# Altium PCB devkit-visao.PcbDoc (part 1 of 2) (continued)
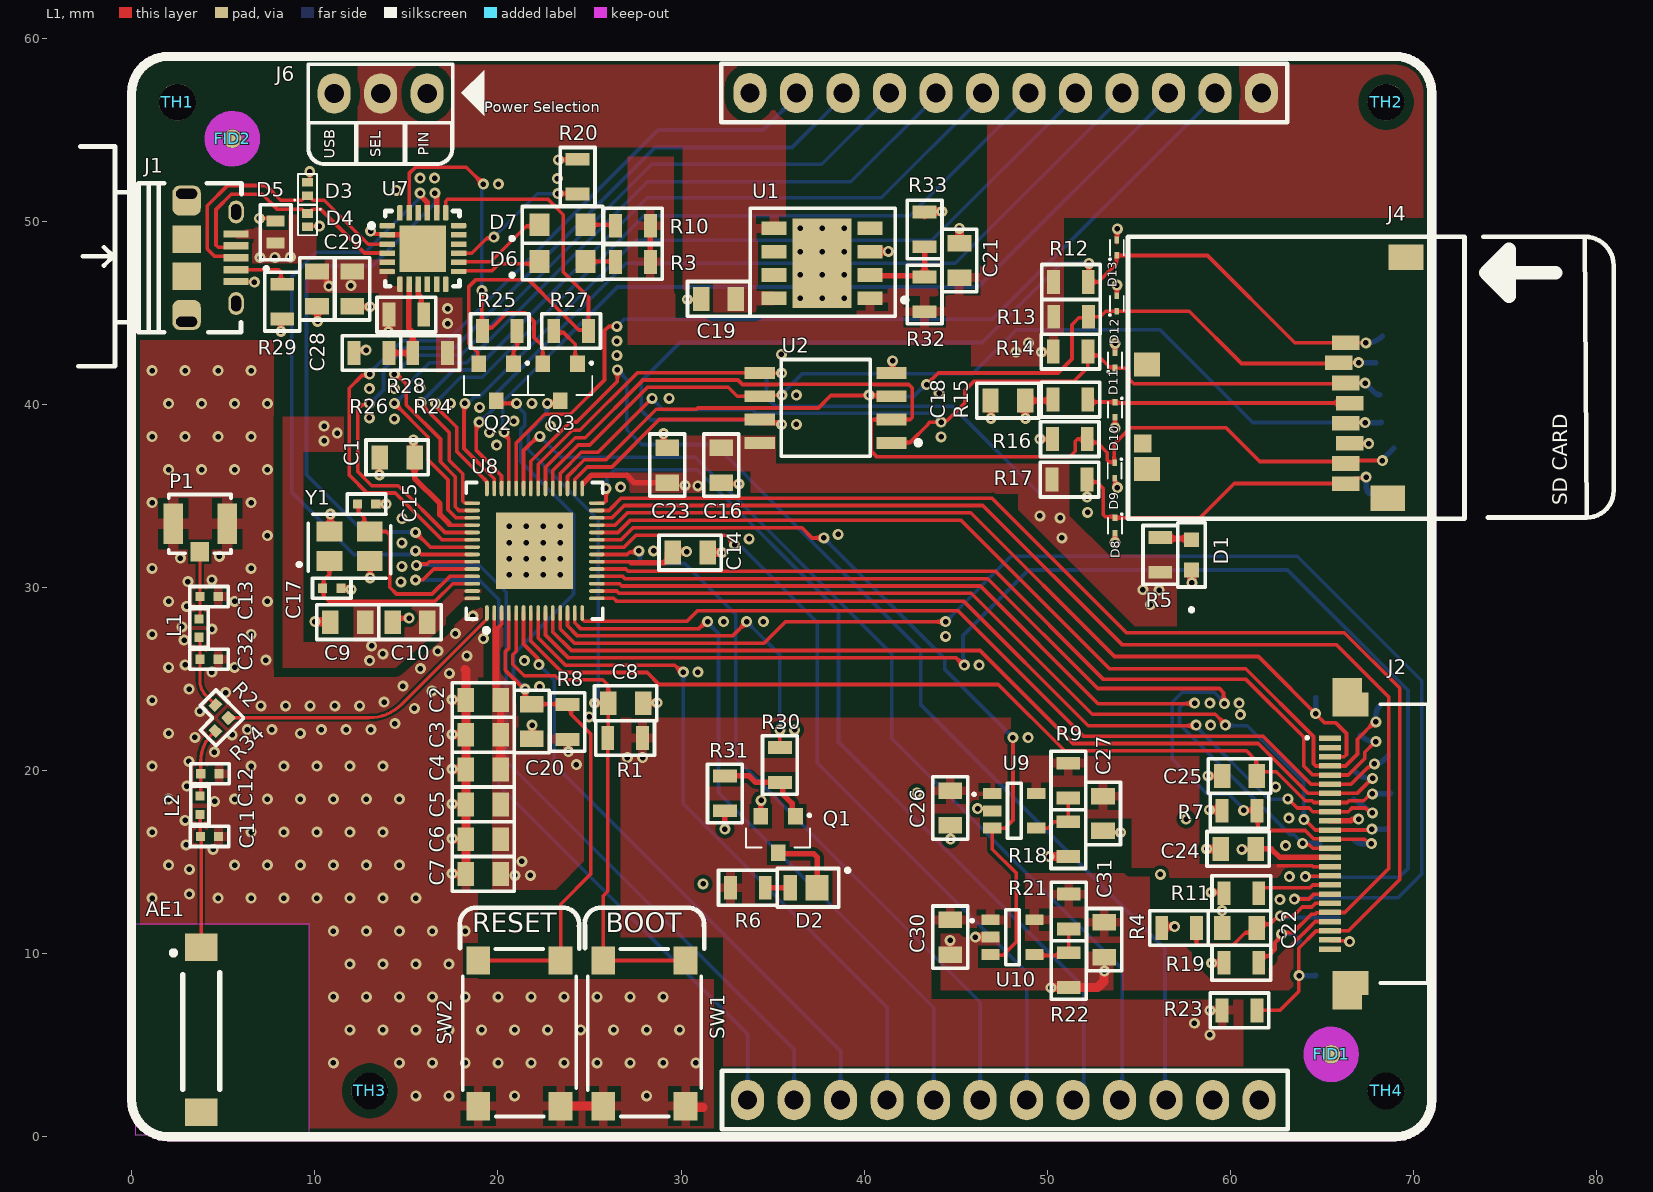
[diagram p0: L1 view]
## Components (designator, comment, footprint, x,y, rotation, side; value= is the part's Value field where it differs from the comment) (continued)
TP5 "TestPoint" "TEST POINT" 67.95,42.275 r90 bottom
TP6 "TestPoint" "TEST POINT" 68.3,43.725 r90 bottom
TP11 "TestPoint" "TEST POINT" 64.675,23.975 r90 bottom
TP12 "TestPoint" "TEST POINT" 68.15,23.525 r90 bottom
TP13 "TestPoint" "TEST POINT" 67.1,21.925 r90 bottom
TP14 "TestPoint" "TEST POINT" 68.625,20.825 r90 bottom
TP15 "TestPoint" "TEST POINT" 66.85,19.9 r90 bottom
TP16 "TestPoint" "TEST POINT" 68.75,18.75 r90 bottom
TP17 "TestPoint" "TEST POINT" 66.75,18.425 r90 bottom
TP18 "TestPoint" "TEST POINT" 68.6,16.825 r90 bottom
TP19 "TestPoint" "TEST POINT" 66.8,16.175 r90 bottom
TP20 "TestPoint" "TEST POINT" 64.875,15.975 r90 bottom
TP21 "TestPoint" "TEST POINT" 66,14.225 r90 bottom
TP22 "TestPoint" "TEST POINT" 64.475,13.05 r90 bottom
TP23 "TestPoint" "TEST POINT" 65.95,12 r90 bottom
TP24 "TestPoint" "TEST POINT" 63.8,10.7 r90 bottom
TP25 "TestPoint" "TEST POINT" 64.675,8.825 r90 bottom
U1 "BD70HC5WEFJ-E2" BD70HC5WEFJ-E2 37.7,47.7 r180 top locked
U2 "W25Q32JVSSIQ_TR" SOIC127P790X216-8N 37.9,39.8 r180 top locked
U7 "CP2102N-A02-GQFN24R" CP2102N-A02-GQFN24 15.9,48.5 r0 top locked
U8 "ESP32-S3" ESP32-S3 22,32 r90 top locked
U9 "AP7366-W5-7" AP7366-W5-7 48.2,17.8 r0 top
U10 "AP7366-W5-7" AP7366-W5-7 48.1,10.9 r0 top
Y1 "40MHZ" RH100-40.000-10-F-1010-TR 11.9,32.25 r0 top

## Footprints (in the part's own frame and the unit in brackets; to place one, negate y for a bottom-side part, rotate by r counter-clockwise, add the part's x,y. Pads: shape width x height; smd on the part's side, far side on the other; paste and mask are expansions set on the pad)
2450AT45A100E [mm]
  rect 1.5x1.8 smd: 1(4.5,0) ""(-4.5,0)
  Keep-Out Layer region: 5.75,-5.9 5.75,3.6 -5.75,3.6 -5.75,-5.9
  silkscreen extent -3.25,-1 4.29,1.62, body extent -4.75,-1.02 4.75,0.98, height 1.22
10118194-0001LF [mm] "10118194-0001LF"
  rect 0.4x1.35 smd mask+0.05: 1(-1.299,1.369) 2(-0.649,1.369) 3(0.001,1.369) 4(0.651,1.369) 5(1.301,1.369)
  rrect50% 1.645x1.55 hole 0.55 slot 1.15 at 90 deg copper offset 0.38,0: ""(-3.5,-1.331)
  oval 1.25x0.85 hole 0.55 slot 0.85 at 0 deg: ""(-2.499,1.369) ""(2.501,1.369)
  rect 1.5x1.55 smd: ""(-0.999,-1.331) ""(1.001,-1.331)
  rrect50% 1.645x1.55 hole 0.55 slot 1.15 at 90 deg copper offset -0.38,0: ""(3.5,-1.331)
  silkscreen extent -6.08,-7.24 5.92,1.67, body extent -4.02,-3.97 4.03,1.61, height 3.12
AP7366-W5-7 [mm]
  rect 1x0.6 smd: 1(-1.2,0.95) 2(-1.2,0) 3(-1.2,-0.95) 4(1.2,-0.95) 5(1.2,0.95)
  silkscreen extent -2.22,-1.5 0.38,1.5, body extent -1.43,-1.5 1.43,1.5, height 1.4
APT1608SYCK [mm]
  rect 0.8x0.8 smd: 1(-0.825,0) 2(0.825,0)
  silkscreen extent -1.75,-0.75 3.1,0.75, body extent -0.8,-0.41 0.8,0.41, height 0.76
BD70HC5WEFJ-E2 [mm]
  rect 1.35x0.75 smd: 1(-2.625,1.905) 2(-2.625,0.635) 3(-2.625,-0.635) 4(-2.625,-1.905) 5(2.625,-1.905) 6(2.625,-0.635) 7(2.625,0.635) 8(2.625,1.905)
  rect 3.2x4.9 smd paste-2 mask+0.102: ""(0,0)
  silkscreen extent -4.52,-3 3.91,2.9, body extent -3,-2.63 3,2.63, height 0.99
BUTTON [mm]
  rect 1.55x1.3 smd: 1(-3.975,2.25) 2(-3.975,-2.25) 3(3.975,-2.25) 4(3.975,2.25)
  silkscreen extent -4.55,-3.1 4.6,3.1, body extent -4.5,-3 4.5,3, height 5
C0402 [mm]
  rect 0.5x0.5 smd: 1(-0.5,0) 2(0.5,0)
  silkscreen extent -1.05,-0.55 1.05,0.55, body extent -0.5,-0.25 0.5,0.25, height 0.51
C0805 [mm]
  rect 0.9x1.3 smd: 1(-0.95,0) 2(0.95,0)
  silkscreen extent -1.7,-0.95 1.7,0.95, body extent -1,-0.62 1,0.63, height 1
CP2102N-A02-GQFN24 [mm]
  rrect50% 0.85x0.3 smd mask+0.053: 1(-1.95,1.25) 6(-1.95,-1.25) 13(1.95,-1.25) 18(1.95,1.25)
  rect 0.85x0.3 smd mask+0.053: 2(-1.95,0.75) 3(-1.95,0.25) 4(-1.95,-0.25) 5(-1.95,-0.75) 14(1.95,-0.75) 15(1.95,-0.25) 17(1.95,0.75)
  rrect50% 0.3x0.85 smd mask+0.053: 7(-1.25,-1.95) 12(1.25,-1.95) 19(1.25,1.95) 24(-1.25,1.95)
  rect 0.3x0.85 smd mask+0.053: 8(-0.75,-1.95) 9(-0.25,-1.95) 10(0.25,-1.95) 11(0.75,-1.95) 20(0.75,1.95) 21(0.25,1.95) 22(-0.25,1.95) 23(-0.75,1.95)
  rect 0.85x0.3 smd paste+0 mask+0.053: 16(1.95,0.25)
  rect 2.55x2.55 smd paste-1.4: 25(0,0)
  rect 1.1x1.1 on Top Paste: ""(-0.625,-0.65) ""(-0.625,0.65) ""(0.625,-0.65) ""(0.625,0.65)
  silkscreen extent -2.92,-2.06 2,2.05, body extent -2.05,-2.05 2.05,2.05, height 0.8
ESD9C5.0ST5G [mm]
  rect 0.36x0.25 smd mask+0.051: 1(-0.42,0) 2(0.42,0)
  silkscreen extent -0.67,-0.38 0.43,0.43, body extent -0.5,-0.33 0.5,0.33, height 0.4
ESP32-S3 [mm] "QFN, 56-Leads, Body 7,00x7,00mm, Pitch 0,40mm, Thermal Pad 4,00x4,00mm, IPC Medium Density"
  oval 0.85x0.2 smd mask+0.051: 1(-3.4,2.6) 2(-3.4,2.2) 3(-3.4,1.8) 4(-3.4,1.4) 5(-3.4,1) 6(-3.4,0.6) 7(-3.4,0.2) 8(-3.4,-0.2) 9(-3.4,-0.6) 10(-3.4,-1) 11(-3.4,-1.4) 12(-3.4,-1.8) 13(-3.4,-2.2) 14(-3.4,-2.6) 29(3.4,-2.6) 30(3.4,-2.2) 31(3.4,-1.8) 32(3.4,-1.4) 33(3.4,-1) 34(3.4,-0.6) 35(3.4,-0.2) 36(3.4,0.2) 37(3.4,0.6) 38(3.4,1) 39(3.4,1.4) 40(3.4,1.8) 41(3.4,2.2) 42(3.4,2.6)
  oval 0.2x0.85 smd mask+0.051: 15(-2.6,-3.4) 16(-2.2,-3.4) 17(-1.8,-3.4) 18(-1.4,-3.4) 19(-1,-3.4) 20(-0.6,-3.4) 21(-0.2,-3.4) 22(0.2,-3.4) 23(0.6,-3.4) 24(1,-3.4) 25(1.4,-3.4) 26(1.8,-3.4) 27(2.2,-3.4) 28(2.6,-3.4) 43(2.6,3.4) 44(2.2,3.4) 45(1.8,3.4) 46(1.4,3.4) 47(1,3.4) 48(0.6,3.4) 49(0.2,3.4) 50(-0.2,3.4) 51(-0.6,3.4) 52(-1,3.4) 53(-1.4,3.4) 54(-1.8,3.4) 55(-2.2,3.4) 56(-2.6,3.4)
  rect 4.2x4.2 smd paste-2: 57(0,0)
  rect 1.5x1.5 on Top Paste: ""(-0.999,0.922) ""(-0.975,-0.925) ""(0.976,0.922) ""(1,-0.925)
  silkscreen extent -4.47,-3.72 3.72,3.72, body extent -3.53,-3.53 3.53,3.53, height 0.9
F32R1A7H111024 [mm]
  rect 0.3x1.2 smd mask+0.051: 1(5.75,0.563) 2(5.25,0.563) 3(4.75,0.563) 4(4.25,0.563) 5(3.75,0.563) 6(3.25,0.563) 7(2.75,0.563) 8(2.25,0.563) 9(1.75,0.563) 10(1.25,0.563) 11(0.75,0.563) 12(0.25,0.563) 13(-0.25,0.563) 14(-0.75,0.563) 15(-1.25,0.563) 16(-1.75,0.563) 17(-2.25,0.563) 18(-2.75,0.563) 19(-3.25,0.563) 20(-3.75,0.563) 21(-4.25,0.563) 22(-4.75,0.563) 23(-5.25,0.563) 24(-5.75,0.563)
  rect 0.8x1.6 smd: ""(-8.65,-0.387) ""(8.65,-0.387)
  rect 1.3x1.95 smd: ""(-7.6,-0.562) ""(7.6,-0.562)
  silkscreen extent -7.62,-4.79 7.62,1.86, body extent -9.65,-4.47 9.65,1.03, height 2.08
FID_40X1.20 [mil]
  round 40 smd paste-40 mask+40: ""(0,0)
  L1 keep-out circle w39.37: c0,0 r40.16
L0402 [mm]
  rect 0.5x0.5 smd mask+0.064: 1(-0.5,0) 2(0.5,0)
  silkscreen extent -1.05,-0.5 1.05,0.5, body extent -0.5,-0.3 0.5,0.3, height 0.51
LTST-C171KRKT [mm]
  rect 1.1x1.25 smd: 1(-1.25,0) 2(1.25,0)
  silkscreen extent -2.2,-1 2.85,1, body extent -1,-0.62 1,0.63, height 0.8
MMSS8050-H-TP [mm]
  rect 0.8x0.9 smd: 1(-0.95,-1) 2(0.95,-1) 3(0,1)
  silkscreen extent -1.76,-1.1 1.75,0.7, body extent -1.4,-1.05 1.4,1.05, height 0.89
MP-2016-1100-50-70 [mm]
  rect 0.75x1.4 smd: 1(-0.73,0)
  rect 1.27x1.4 smd: 2(0.73,0)
  silkscreen extent -1.45,-1.05 2.5,1.05, body extent -0.95,-0.78 1.05,0.82, height 2.26
PH1-03-UA [mm]
  oval 2.2x1.8 hole 1.05: 1(0,0) 2(0,-2.54) 3(0,-5.08)
  silkscreen extent -1.6,-6.5 1.6,1.4, body extent -1.25,-6.36 1.25,1.27, height 5.6
PH1-12-UA [mm]
  oval 2.2x1.8 hole 1.05: 1(0,0) 2(0,-2.54) 3(0,-5.08) 4(0,-7.62) 5(0,-10.16) 6(0,-12.7) 7(0,-15.24) 8(0,-17.78) 9(0,-20.32) 10(0,-22.86) 11(0,-25.4) 12(0,-27.94)
  silkscreen extent -1.6,-29.5 1.6,1.4, body extent -1.2,-29.23 1.3,1.23, height 9.66
R0402 [mm]
  rect 0.5x0.6 smd: 1(-0.5,0) 2(0.5,0)
  silkscreen extent -1.05,-0.6 1.05,0.6, body extent -0.5,-0.25 0.5,0.25, height 0.41
R0805 [mm]
  rect 0.7x1.3 smd: 1(-0.95,0) 2(0.95,0)
  silkscreen extent -1.6,-0.95 1.6,0.95, body extent -1,-0.6 1,0.6, height 0.61
RH100-40.000-10-F-1010-TR [mm]
  rect 1.4x1.1 smd: 1(-1.1,-0.8) 2(1.1,-0.8) 3(1.1,0.8) 4(-1.1,0.8)
  silkscreen extent -2.85,-1.75 2.25,1.75, body extent -1.7,-1.37 1.7,1.37, height 0.71
SDCARD-0473521001 [mm]
  rect 1.5x0.8 smd: 1(-3.897,-1.915) 2(-3.497,-0.815) 3(-3.897,0.285) 4(-4.097,1.385) 5(-3.897,2.485) 6(-4.097,3.585) 7(-3.897,4.685) 8(-3.897,5.785)
  rect 0.95x1 smd mask+0.051: 9(7.188,3.585)
  rect 1.9x1.4 smd: ""(-7.187,-6.575) ""(-6.187,6.575)
  rect 1.4x1.3 smd mask+0.051: ""(6.963,-0.725) ""(6.963,4.975)
  silkscreen extent -18.52,-7.7 8,7.7, body extent -10.2,-7.03 7.4,7.07, height 1.89
SOIC127P790X216-8N [mm]
  rect 1.65x0.65 smd: 1(-3.6,1.905) 2(-3.6,0.635) 3(-3.6,-0.635) 4(-3.6,-1.905) 5(3.6,-1.905) 6(3.6,-0.635) 7(3.6,0.635) 8(3.6,1.905)
  silkscreen extent -5.07,-2.64 2.43,2.64, body extent -3.95,-2.64 3.95,2.64, height 2.16
STN161050U852 [mm]
  rect 0.6x1 smd mask+0.064: 1(-0.6,0) 2(0.6,0)
  silkscreen extent -2.1,-0.85 1.5,0.82, body extent -0.54,-0.34 0.54,0.34, height 0.5
SZESD7451N2T5G [mm]
  rect 0.47x0.6 smd mask+0.051: 1(-0.365,0) 2(0.365,0)
  silkscreen extent -0.82,-0.53 0.82,0.72, body extent -0.54,-0.34 0.54,0.34, height 0.5
"TEST POINT" [mm]
  round 1 smd paste-1: 1(0,0)
"TOOLING HOLE" [mm]
  round 2 hole 2 unplated: 1(0,0)
U.FL-R-SMT-1(10) [mm]
  rect 1x1.05 smd mask+0.064: 1(0.025,0.763)
  rect 1.05x2.2 smd mask+0.064: 2(-1.475,-0.763) 3(1.475,-0.763)
  silkscreen extent -1.68,-2.36 1.73,0.85, body extent -1.47,-2.34 1.52,0.76, height 1.26

## Part data
AE1: "RF ANT - 2.4GHZ CHIP SOLDER SMD", Frequency=2.45GHz, Manufacturer 1=Johanson, Max Frequency=2.5GHz, Max Operating Temperature=85°C, Max Power Dissipation=3W, Min Operating Temperature=-40°C, Package Quantity=1, Resistor Type=Ceramic, Supplier Part Number 1=712-1012-1-ND, .PCBChecked="Alex Batista", .SCHChecked="Alex Batista", Bandwidth=100MHz, ComponentLink1Description=https://datasheet.ciiva.com/1126/1296113-1126176.pdf?src-supplier=Newark, ComponentLink1URL=https://datasheet.ciiva.com/1126/1296113-1126176.pdf?src-supplier=Newark, ComponentLink2Description=https://datasheet.ciiva.com/2791/jti-antenna-2450at45a100-2006-07-2791936.pdf?src-supplier=Digi-Key, ComponentLink2URL=https://datasheet.ciiva.com/2791/jti-antenna-2450at45a100-2006-07-2791936.pdf?src-supplier=Digi-Key, ComponentLink3Description=https://datasheet.ciiva.com/6748/antenna-2450at45a100-v5-6748578.pdf?src-supplier=Newark, ComponentLink3URL=https://datasheet.ciiva.com/6748/antenna-2450at45a100-v5-6748578.pdf?src-supplier=Newark, ComponentLink4Description=https://datasheet.ciiva.com/24068/antenna-2450at45a100-v5-242465-24068002.pdf?src-supplier=Mouser, ComponentLink4URL=https://datasheet.ciiva.com/24068/antenna-2450at45a100-v5-242465-24068002.pdf?src-supplier=Mouser, ComponentLink5Description=https://datasheet.ciiva.com/2791/jti-antenna-2450at45a100-2006-07-2791937.pdf?src-supplier=Digi-Key, ComponentLink5URL=https://datasheet.ciiva.com/2791/jti-antenna-2450at45a100-2006-07-2791937.pdf?src-supplier=Digi-Key, ComponentLink6Description=https://datasheet.ciiva.com/2791/jti-antenna-2450at45a100-2006-07-2791938.pdf?src-supplier=Digi-Key, ComponentLink6URL=https://datasheet.ciiva.com/2791/jti-antenna-2450at45a100-2006-07-2791938.pdf?src-supplier=Digi-Key, ComponentLink7Description=https://datasheet.ciiva.com/1124/1318299-1124920.pdf?src-supplier=Element14, ComponentLink7URL=https://datasheet.ciiva.com/1124/1318299-1124920.pdf?src-supplier=Element14, Gain=1dB, Height=0.047inch, Impedance=50R, Length=9.5mm, Manufacturer Part Number 1=2450AT45A100E, Mount="Surface Mount", Number of Bands=1, Number of Pins=2, Packaging="Tape and Reel", Power Rating=3W, Pricing 1="1=0.94000, 10=0.84100, 25=0.79800, 100=0.65550, 250=0.61276, 500=0.54150 (USD)", Radiation Hardening=No, REACH SVHC="No SVHC", Return Loss=-9.5dB, RoHS=Yes, Stock 1=275, Supplier 1=Digi-Key, Termination=Solder, Width=2mm
C1 C2 C3 C4 C8 C14 C16 C20 C22 C24 C29: library part CL21B104KBCNNNC, "MLCC - 0.1µF 0805 50V X7R ±10%", Capacitance=100nF, Case Code (Imperial)=0805, Case Code (Metric)=2012, Dielectric=X7R, Manufacturer 1=Samsung, Max Operating Temperature=125°C, Min Operating Temperature=-55°C, Supplier Part Number 1=1276-1003-1-ND, Tolerance=10%, Voltage=50V, .PCBChecked="Victor Holanda", .SCHChecked="Victor Holanda", Case/Package=0805, Category="Ceramic Capacitors", ComponentLink3Description=https://datasheet.ciiva.com/25710/cl21b104kbcnnnc-25710182.pdf?src-supplier=Digi-Key, ComponentLink3URL=https://datasheet.ciiva.com/25710/cl21b104kbcnnnc-25710182.pdf?src-supplier=Digi-Key, Construction=Flat, Contact Plating=Tin, Depth=1.25mm, Height=0.85mm, Lead Free="Lead Free", Length=2mm, Manufacturer Part Number 1=CL21B104KBCNNNC, Material=Ceramic, Mount="Surface Mount", Packaging="Tape and Reel", Pricing 1="1=0,10000, 10=0,04800, 50=0,02620, 100=0,02140, 500=0,01528, 1000=0,01201 (USD)", Radiation Hardening=No, RoHS=Yes, RoHS Compliant=Yes, Series=CL, Stock 1=3198898, Supplier 1=Digi-Key, Supplier 2=Mouser, Supplier Part Number 2=187-CL21B104KBCNNNC, Thickness=0.037inch, Voltage Rating=50V, Voltage Rating (DC)=50V, Width=0.049inch
C5 C9 C19 C21 C23 C26 C27 C30 C31: library part CL21B105KOFNNNE, "MLCC - 1µF 0805 16V X7R ±10%", Capacitance=1uF, Case Code (Imperial)=0805, Case Code (Metric)=2012, Dielectric=X7R, Manufacturer 1=Samsung, Max Operating Temperature=125°C, Min Operating Temperature=-55°C, Package Quantity=1, Supplier Part Number 1=1276-1026-1-ND, Tolerance=10%, Voltage=16V, .PCBChecked="Victor Holanda", .SCHChecked="Victor Holanda", Case/Package=0805, Category="Ceramic Capacitors", ComponentLink3Description=https://datasheet.ciiva.com/25800/cl21b105kofnnne-25800257.pdf?src-supplier=Digi-Key, ComponentLink3URL=https://datasheet.ciiva.com/25800/cl21b105kofnnne-25800257.pdf?src-supplier=Digi-Key, Construction=Flat, Contact Plating=Tin, Depth=1.25mm, Height=1.25mm, Lead Free="Lead Free", Length=2mm, Manufacturer Part Number 1=CL21B105KOFNNNE, Mount="Surface Mount", Packaging="Tape and Reel", Pricing 1="1=0,10000, 10=0,05600, 50=0,03060, 100=0,02500, 500=0,01782, 1000=0,01401 (USD)", Radiation Hardening=No, RoHS=Yes, RoHS Compliant=Yes, Series=CL, Stock 1=1044699, Supplier 1=Digi-Key, Thickness=0.053inch, Voltage Rating=16V, Voltage Rating (DC)=16V, Width=0.049inch
C6 C7: library part GRM21BR61H106ME43L, "MLCC - 10µF 0805 50V X7R ±20%", Manufacturer  1=Murata, Supplier Part Number 1=490-18664-1-ND, .PCBChecked="Victor Holanda", .SCHChecked="Victor Holanda", Category="Ceramic Capacitors", Manufacturer Part Number 1=GRM21BR61H106ME43L, Pricing 1="1=0,42000, 10=0,29400, 50=0,20560, 100=0,17620, 500=0,13216, 1000=0,11161 (USD)", RoHS=Yes, Stock 1=199741, Supplier 1=Digi-Key
C10: library part CL21B103KBCNNNC, "MLCC - 10nF 0805 50V X7R ±10%", Capacitance=10nF, Case Code (Imperial)=0805, Case Code (Metric)=2012, Dielectric=X7R, Manufacturer 1=Samsung, Max Operating Temperature=125°C, Min Operating Temperature=-55°C, Supplier Part Number 1=1276-1078-1-ND, Tolerance=10%, Voltage Rating=50V, .PCBChecked="Victor Holanda", .SCHChecked="Victor Holanda", Case/Package=0805, Category="Ceramic Capacitors", ComponentLink6Description=https://datasheet.ciiva.com/26920/getdatasheetpartid-640087-26920198.pdf?src-supplier=Verical, ComponentLink6URL=https://datasheet.ciiva.com/26920/getdatasheetpartid-640087-26920198.pdf?src-supplier=Verical, Construction=Flat, Contact Plating=Tin, Depth=1.25mm, Height=0.85mm, Lead Free="Lead Free", Length=2mm, Manufacturer Part Number 1=CL21B103KBCNNNC, Mount="Surface Mount", Packaging="Tape and Reel", Pricing 1="1=0,10000, 10=0,05000, 50=0,02700, 100=0,02210, 500=0,01578, 1000=0,01240 (USD)", Radiation Hardening=No, RoHS=Yes, RoHS Compliant=Yes, Series=CL, Stock 1=106601, Supplier 1=Digi-Key, Thickness=0.037inch, Voltage Rating (DC)=50V, Width=0.049inch
C11 C12 C13 C32: library part C_0402_JUMPER, "MLCC - 0R 0402 JUMPER", Case/Package=Molded, Manufacturer 1=Vishay, Manufacturer Part Number 1=CRCW04020000Z0EDC, Max Operating Temperature=155°C, Min Operating Temperature=-55°C, Power Rating=62.5mW, Resistance=18R, Resistor Type="Thick Film", Supplier Part Number 1=541-4062-1-ND, .PCBChecked="Victor Holanda", .SCHChecked="Victor Holanda", Category="Chip SMD Resistors", ComponentLink1Description=http://www.vishay.com/docs/28773/crcwce3.pdf?src-supplier=Digi-Key, ComponentLink1URL=http://www.vishay.com/docs/28773/crcwce3.pdf?src-supplier=Digi-Key, ComponentLink2Description=http://www.vishay.com/docs/20035/dcrcwe3.pdf?src-supplier=Avnet, ComponentLink2URL=http://www.vishay.com/docs/20035/dcrcwe3.pdf?src-supplier=Avnet, Contact Plating=Tin, Lead Free="Lead Free", Length=1mm, Mount="Surface Mount", Pricing 1="1=0,10000, 10=0,02300, 100=0,00950, 1000=0,00427, 2500=0,00370, 5000=0,00306 (USD)", RoHS=Yes, RoHS Compliant=Yes, Stock 1=109511, Supplier 1=Digi-Key, Termination=Wraparound
C15 C17: library part 04025U140FAT2A, "MLCC - 14pF 0402 50V NP0 ±1%", Capacitance=14pF, Case Code (Imperial)=0402, Case Code (Metric)=1005, Dielectric=C0G, Manufacturer 1="Kyocera AVX", Max Operating Temperature=125°C, Min Operating Temperature=-55°C, Package Quantity=10000, Resistor Type=Ceramic, Supplier Part Number 1=478-10139-1-ND, Tolerance=1%, Voltage Rating=50V, .PCBChecked="Victor H", .SCHChecked="Victor H", Case/Package=0402, Category="Ceramic Capacitors", ComponentLink1Description=https://datasheet.ciiva.com/11568/useries-11568551.pdf?src-supplier=Avnet, ComponentLink1URL=https://datasheet.ciiva.com/11568/useries-11568551.pdf?src-supplier=Avnet, ComponentLink2Description=https://datasheet.ciiva.com/6269/useries-6269558.pdf?src-supplier=Digi-Key, ComponentLink2URL=https://datasheet.ciiva.com/6269/useries-6269558.pdf?src-supplier=Digi-Key, Construction=Flat, Depth=0.5mm, Length=1mm, Manufacturer Part Number 1=04025U140FAT2A, Mount="Surface Mount", Packaging="Tape and Reel", Pricing 1="1=0,37000, 10=0,25100, 50=0,16760, 100=0,14250, 500=0,10058, 1000=0,08801, 2500=0,08382, 5000=0,07753 (USD)", Radiation Hardening=No, RoHS=Yes, RoHS Compliant=Yes, Series=U, Stock 1=104186, Supplier 1=Digi-Key, Termination=SMD/SMT, Thickness=0.022inch, Voltage Rating (DC)=50V, Width=0.5mm
C18 C28: library part CL21A475KOFNNNE, "MLCC - 4.7µF 0805 16V X5R ±10%", Capacitance=4.7uF, Case Code (Imperial)=0805, Case Code (Metric)=2012, Dielectric=X5R, Manufacturer 1=Samsung, Max Operating Temperature=85°C, Min Operating Temperature=-55°C, Supplier Part Number 1=1276-1065-1-ND, Tolerance=10%, Voltage Rating=16V, .PCBChecked="Victor Holanda", .SCHChecked="Victor Holanda", Case/Package=0805, Category="Ceramic Capacitors", ComponentLink3Description=https://datasheet.ciiva.com/25710/cl21a475kofnnne-25710354.pdf?src-supplier=Digi-Key, ComponentLink3URL=https://datasheet.ciiva.com/25710/cl21a475kofnnne-25710354.pdf?src-supplier=Digi-Key, ComponentLink4Description=https://datasheet.ciiva.com/16740/cl21a475kofnnne-16740646.pdf?src-supplier=Future+Electronics, ComponentLink4URL=https://datasheet.ciiva.com/16740/cl21a475kofnnne-16740646.pdf?src-supplier=Future+Electronics, ComponentLink5Description=https://datasheet.ciiva.com/26838/getdatasheetpartid-357424-26838625.pdf?src-supplier=Verical, ComponentLink5URL=https://datasheet.ciiva.com/26838/getdatasheetpartid-357424-26838625.pdf?src-supplier=Verical, Construction=Flat, Contact Plating=Tin, Depth=1.25mm, Height=1.25mm, Length=2mm, Manufacturer Part Number 1=CL21A475KOFNNNE, Mount="Surface Mount", Packaging="Tape and Reel", Pricing 1="1=0,12000, 10=0,08600, 50=0,04880, 100=0,04050, 500=0,02838, 1000=0,02350 (USD)", Radiation Hardening=No, RoHS=Yes, RoHS Compliant=Yes, Series=CL, Stock 1=605133, Supplier 1=Digi-Key, Thickness=0.053inch, Width=0.049inch
C25: library part 08055C150KAT2A, "MLCC - 15pF 0805 50V X7R ±10%", Capacitance=15pF, Case Code (Imperial)=0805, Case Code (Metric)=2012, Dielectric=X7R, Manufacturer 1="Kyocera AVX", Max Operating Temperature=125°C, Min Operating Temperature=-55°C, Package Quantity=4000, Supplier Part Number 1=478-11902-1-ND, Tolerance=10%, Voltage Rating=50V, .PCBChecked="Victor Holanda", .SCHChecked="Victor Holanda", Case/Package=0805, Category="Ceramic Capacitors", Construction=Flat, Depth=1.25mm, Length=2.01mm, Manufacturer Part Number 1=08055C150KAT2A, Mount="Surface Mount", Number of Pins=2, Packaging="Tape and Reel", Pricing 1="1=0,23000, 10=0,15700, 50=0,09400, 100=0,07940, 500=0,05434, 1000=0,04807 (USD)", Radiation Hardening=No, REACH SVHC=Unknown, RoHS=Yes, Stock 1=16775, Supplier 1=Digi-Key, Supplier 2=Mouser, Supplier Part Number 2=581-08055C150KAT2A, Termination=SMD/SMT, Thickness=0.037inch, Voltage Rating (DC)=50V, Width=0.049inch
D1: "LED - APT1608SYCK Yellow LED; 590 nm 1608 (0603) Clear; Rectangle Lens SMD package", Case Code (Imperial)=0603, Case Code (Metric)=1608, Color=Yellow, Forward Current=20mA, Forward Voltage=2V, Lens Color=Clear, Manufacturer=Kingbright, Max Operating Temperature=85°C, Min Operating Temperature=-40°C, Package Quantity=2000, Supplier Part Number 1=754-1124-1-ND, .PCBChecked="Victor H", .SCHChecked="Victor H", Case/Package=0603, Category=LEDs, ComponentLink1Description=https://datasheet.ciiva.com/2113/apt1608syck-2113824.pdf?src-supplier=Digi-Key, ComponentLink1URL=https://datasheet.ciiva.com/2113/apt1608syck-2113824.pdf?src-supplier=Digi-Key, ComponentLink2Description=https://datasheet.ciiva.com/4688/apt1608syck-35136-4688900.pdf?src-supplier=Mouser, ComponentLink2URL=https://datasheet.ciiva.com/4688/apt1608syck-35136-4688900.pdf?src-supplier=Mouser, ComponentLink3Description=https://datasheet.ciiva.com/2113/apt1608syck-2113825.pdf?src-supplier=Digi-Key, ComponentLink3URL=https://datasheet.ciiva.com/2113/apt1608syck-2113825.pdf?src-supplier=Digi-Key, ComponentLink4Description=https://datasheet.ciiva.com/2113/apt1608syck-2113826.pdf?src-supplier=Digi-Key, ComponentLink4URL=https://datasheet.ciiva.com/2113/apt1608syck-2113826.pdf?src-supplier=Digi-Key, ComponentLink5Description=https://datasheet.ciiva.com/14603/70062842-14603786.pdf?src-supplier=Allied+Electronics, ComponentLink5URL=https://datasheet.ciiva.com/14603/70062842-14603786.pdf?src-supplier=Allied+Electronics, Dominant Wavelength=590nm, Height=0.75mm, Illumination Color=Yellow, Lead Free="Lead Free", Length=1.6mm, Lens Style=Clear,Flat, Luminous Intensity=150mcd, Manufacturer Part Number=APT1608SYCK, Mount="Surface Mount", mounting=SMD, Number of LEDs=1, Number of Pins=2, Packaging="Tape and Reel", Pricing 1="1=0,31000, 10=0,24100, 100=0,10840, 500=0,09794, 1000=0,08045 (USD)", RoHS=Yes, RoHS Compliant=Yes, Series=APT, Stock 1=448438, Supplier 1=Digi-Key, Test Current=20mA, Viewing Angle=120°, Wavelength=590nm, Width=0.8mm
D2: "LED - Uni-Color White 27lm 5000K Chip LED 2-Pin SMD T/R", Case Code (Imperial)=0806, Case Code (Metric)=2016, Color=White, Color Rendering Index (CRI)=70, Correlated Color Temperature (CCT)="5000 K", Forward Voltage=3V, Manufacturer 1="Luminus Devices", Max Current Rating=120mA, Max Operating Temperature=80°C, Max Power Dissipation=816mW, Min Operating Temperature=-40°C, Reverse Voltage=5V, Supplier Part Number 1=1214-1209-1-ND, Test Current=60mA, Thermal Resistance of Package=35°C/W, .PCBChecked="Victor H", .SCHChecked="Victor H", Case/Package=0806, Category=Uncategorized, ComponentLink1Description=https://datasheet.ciiva.com/48679/luminus-mp2016-datasheet-48679211.pdf?src-supplier=Avnet, ComponentLink1URL=https://datasheet.ciiva.com/48679/luminus-mp2016-datasheet-48679211.pdf?src-supplier=Avnet, Lens Style=Rectangular, Luminous Flux=27lm, Manufacturer Part Number 1=MP-2016-1100-50-70, Mount="Surface Mount", Number of LEDs=1, Number of Pins=2, Packaging="Tape and Reel", Pricing 1="1=0,16000, 10=0,08600, 100=0,04060, 500=0,03476, 1000=0,02674, 2000=0,02514 (USD)", RoHS=Yes, RoHS Compliant=Yes, Stock 1=60114, Supplier 1=Digi-Key, Viewing Angle=110°
D3 D4: "Transient Voltage Suppressors low cap ESD protection in SOD-882", Capacitance=0.35pF, Clamping Voltage=13V, Manufacturer 1="ON Semiconductor", Max Operating Temperature=150°C, Min Breakdown Voltage=6V, Min Operating Temperature=-55°C, Power Line Protection=No, Resistor Type=Zener, Reverse Standoff Voltage=3.3V, Supplier Part Number 1=SZESD7451N2T5GOSCT-ND, .PCBChecked="Victor H", .SCHChecked="Victor H", Category="TVS Diodes", ComponentLink1Description=https://datasheet.ciiva.com/48533/esd7451-d-48533317.pdf?src-supplier=Avnet, ComponentLink1URL=https://datasheet.ciiva.com/48533/esd7451-d-48533317.pdf?src-supplier=Avnet, Direction=Bidirectional, Element Configuration=Single, Lead Free="Lead Free", Manufacturer Part Number 1=SZESD7451N2T5G, Mount="Surface Mount", Number of Bidirectional Channels=1, Number of Pins=2, Packaging="Tape and Reel", Pricing 1="1=0,49000, 10=0,42100, 100=0,31430, 500=0,24696, 1000=0,19083, 2000=0,17400 (USD)", RoHS=Yes, RoHS Compliant=Yes, Stock 1=36434, Supplier 1=Digi-Key, Working Voltage=3.3V
D5: "DIODE - ESD Suppressor TVS Single Uni-Dir 30KV 2-Pin SMD", Manufacturer 1="Eaton Bussmann", Supplier Part Number 1=283-STN161050U852CT-ND, .PCBChecked="Victor H", .SCHChecked="Victor H", Manufacturer Part Number 1=STN161050U852, Pricing 1="1=0,50000, 10=0,37600, 100=0,23410, 500=0,16016, 1000=0,12320 (USD)", RoHS=No, Stock 1=8226, Supplier 1=Digi-Key
D6 D7: "LED - RED 2-Pin SMD 0805", Case Code (Imperial)=0805, Case Code (Metric)=2012, Color=Red, Forward Current=30mA, Forward Voltage=2V, Lens Color=Colorless, Manufacturer 1="Vishay Lite-On", Max Operating Temperature=85°C, Min Operating Temperature=-55°C, Package Quantity=3000, Power Dissipation=75mW, Reverse Voltage=5V, Supplier Part Number 1=160-1427-1-ND, Test Current=20mA, .PCBChecked="Jonatha O.", .SCHChecked="Jonatha O.", Case/Package=0805, ComponentLink1Description=https://datasheet.ciiva.com/12403/lite-on-ltst-c171krkt-187201-12403781.pdf?src-supplier=Mouser, ComponentLink1URL=https://datasheet.ciiva.com/12403/lite-on-ltst-c171krkt-187201-12403781.pdf?src-supplier=Mouser, ComponentLink2Description=https://datasheet.ciiva.com/11775/0900766b80dc0299-11775643.pdf?src-supplier=RSComponents, ComponentLink2URL=https://datasheet.ciiva.com/11775/0900766b80dc0299-11775643.pdf?src-supplier=RSComponents, ComponentLink3Description=https://datasheet.ciiva.com/16444/lite-on20ltst-c171krkt-16444779.pdf?src-supplier=Future+Electronics, ComponentLink3URL=https://datasheet.ciiva.com/16444/lite-on20ltst-c171krkt-16444779.pdf?src-supplier=Future+Electronics, ComponentLink4Description=https://datasheet.ciiva.com/2110/s-110-ltst-c171krkt-2110066.pdf?src-supplier=Digi-Key, ComponentLink4URL=https://datasheet.ciiva.com/2110/s-110-ltst-c171krkt-2110066.pdf?src-supplier=Digi-Key, ComponentLink5Description=https://datasheet.ciiva.com/2110/s-110-ltst-c171krkt-2110067.pdf?src-supplier=Digi-Key, ComponentLink5URL=https://datasheet.ciiva.com/2110/s-110-ltst-c171krkt-2110067.pdf?src-supplier=Digi-Key, ComponentLink6Description=https://datasheet.ciiva.com/2110/s-110-ltst-c171krkt-2110068.pdf?src-supplier=Digi-Key, ComponentLink6URL=https://datasheet.ciiva.com/2110/s-110-ltst-c171krkt-2110068.pdf?src-supplier=Digi-Key, Depth=1.25mm, Dominant Wavelength=631nm, Height=0.8mm, Illumination Color=Red, Lead Free="Lead Free", Length=2mm, Lens Style=Diffused,Colorless,Rectangular,Clear, Lens Transparency=Clear, Luminous Intensity=54mcd, Manufacturer Part Number 1=LTST-C171KRKT, Mount="Surface Mount", Number of Elements=1, Number of LEDs=1, Number of Pins=2, Packaging="Tape and Reel", Power Rating=75mW, Pricing 1="1=0.28000, 10=0.15000, 100=0.06990, 500=0.06450, 1000=0.05052 (USD)", Radiation Hardening=No, RoHS=Yes, RoHS Compliant=Yes, Series=-, Stock 1=300217, Supplier 1=Digi-Key, Viewing Angle=130°, Wavelength=639nm, Width=1.25mm
D8 D9 D10 D11 D12 D13: "DIODE - TVS 5V SOD923", Breakdown Voltage=11V, Capacitance=6.2pF, Case/Package=SOD-923-2, Clamping Voltage=10V, Leakage Current=500nA, Manufacturer="ON Semiconductor", Max Operating Temperature=150°C, Max Power Dissipation=150mW, Min Operating Temperature=-55°C, Operating Supply Voltage=5V, Package Quantity=1, Power Line Protection=No, Resistor Type=Zener, Supplier Part Number 1=ESD9C5.0ST5GOSCT-ND, Test Current=1mA, .PCBChecked="Alex Batista", .SCHChecked="Alex Batista", Category="ESD and Circuit Protection ICs", Clamping Voltage-Max=10V, ComponentLink1Description=https://datasheet.ciiva.com/1219/1748974-1219321.pdf?src-supplier=Newark, ComponentLink1URL=https://datasheet.ciiva.com/1219/1748974-1219321.pdf?src-supplier=Newark, ComponentLink2Description=https://datasheet.ciiva.com/4509/esd9c3-3s-d-241629-4509822.pdf?src-supplier=Mouser, ComponentLink2URL=https://datasheet.ciiva.com/4509/esd9c3-3s-d-241629-4509822.pdf?src-supplier=Mouser, ComponentLink3Description=https://datasheet.ciiva.com/15143/getdatasheetpartid-53763-15143125.pdf?src-supplier=Verical, ComponentLink3URL=https://datasheet.ciiva.com/15143/getdatasheetpartid-53763-15143125.pdf?src-supplier=Verical, ComponentLink4Description=https://datasheet.ciiva.com/339/esd9c3-3s-d-339778.pdf?src-supplier=Digi-Key, ComponentLink4URL=https://datasheet.ciiva.com/339/esd9c3-3s-d-339778.pdf?src-supplier=Digi-Key, ComponentLink5Description=https://datasheet.ciiva.com/11195/esd9c3-3s-d-11195341.pdf?src-supplier=Avnet, ComponentLink5URL=https://datasheet.ciiva.com/11195/esd9c3-3s-d-11195341.pdf?src-supplier=Avnet, ComponentLink6Description=https://datasheet.ciiva.com/339/esd9c3-3s-d-339779.pdf?src-supplier=Digi-Key, ComponentLink6URL=https://datasheet.ciiva.com/339/esd9c3-3s-d-339779.pdf?src-supplier=Digi-Key, ComponentLink7Description=https://datasheet.ciiva.com/339/esd9c3-3s-d-339780.pdf?src-supplier=Digi-Key, ComponentLink7URL=https://datasheet.ciiva.com/339/esd9c3-3s-d-339780.pdf?src-supplier=Digi-Key, Depth=0.6mm, Diode Type=ZENER, Direction=Unidirectional, Element Configuration=Single, ESD Protection=Yes, Halogen Free="Halogen Free", Height=0.4mm, Lead Free="Lead Free", Length=0.8mm, Manufacturer Part Number=ESD9C5.0ST5G, Max Breakdown Voltage=11V, Max Reverse Leakage Current=500nA, Min Breakdown Voltage=11V, Number of Channels=1, Number of Elements=1, Number of Lines=1, Number of Pins=2, Number of Unidirectional Channels=1, Packaging="Tape and Reel", Peak Pulse Power=150mW, Polarity=Unidirectional, Pricing 1="1=0,32000, 10=0,25900, 100=0,13720, 500=0,09024, 1000=0,06136, 2000=0,05535 (USD)", Radiation Hardening=No, REACH SVHC="No SVHC", Reverse Breakdown Voltage=11V, Reverse Standoff Voltage=5V, RoHS=Yes, RoHS Compliant=Yes, Series="Automotive, AEC-Q101", Stock 1=4445, Supplier 1=Digi-Key, Termination=SMD/SMT, Width=0.65mm, Working Voltage=5V
FID1 FID2: "Fiducials"